# KiCad board hakea-epaper.kicad_pcb
title: Hakea Wireless keyboard; date: 2022-01-09; rev: 1.0; company: TKW
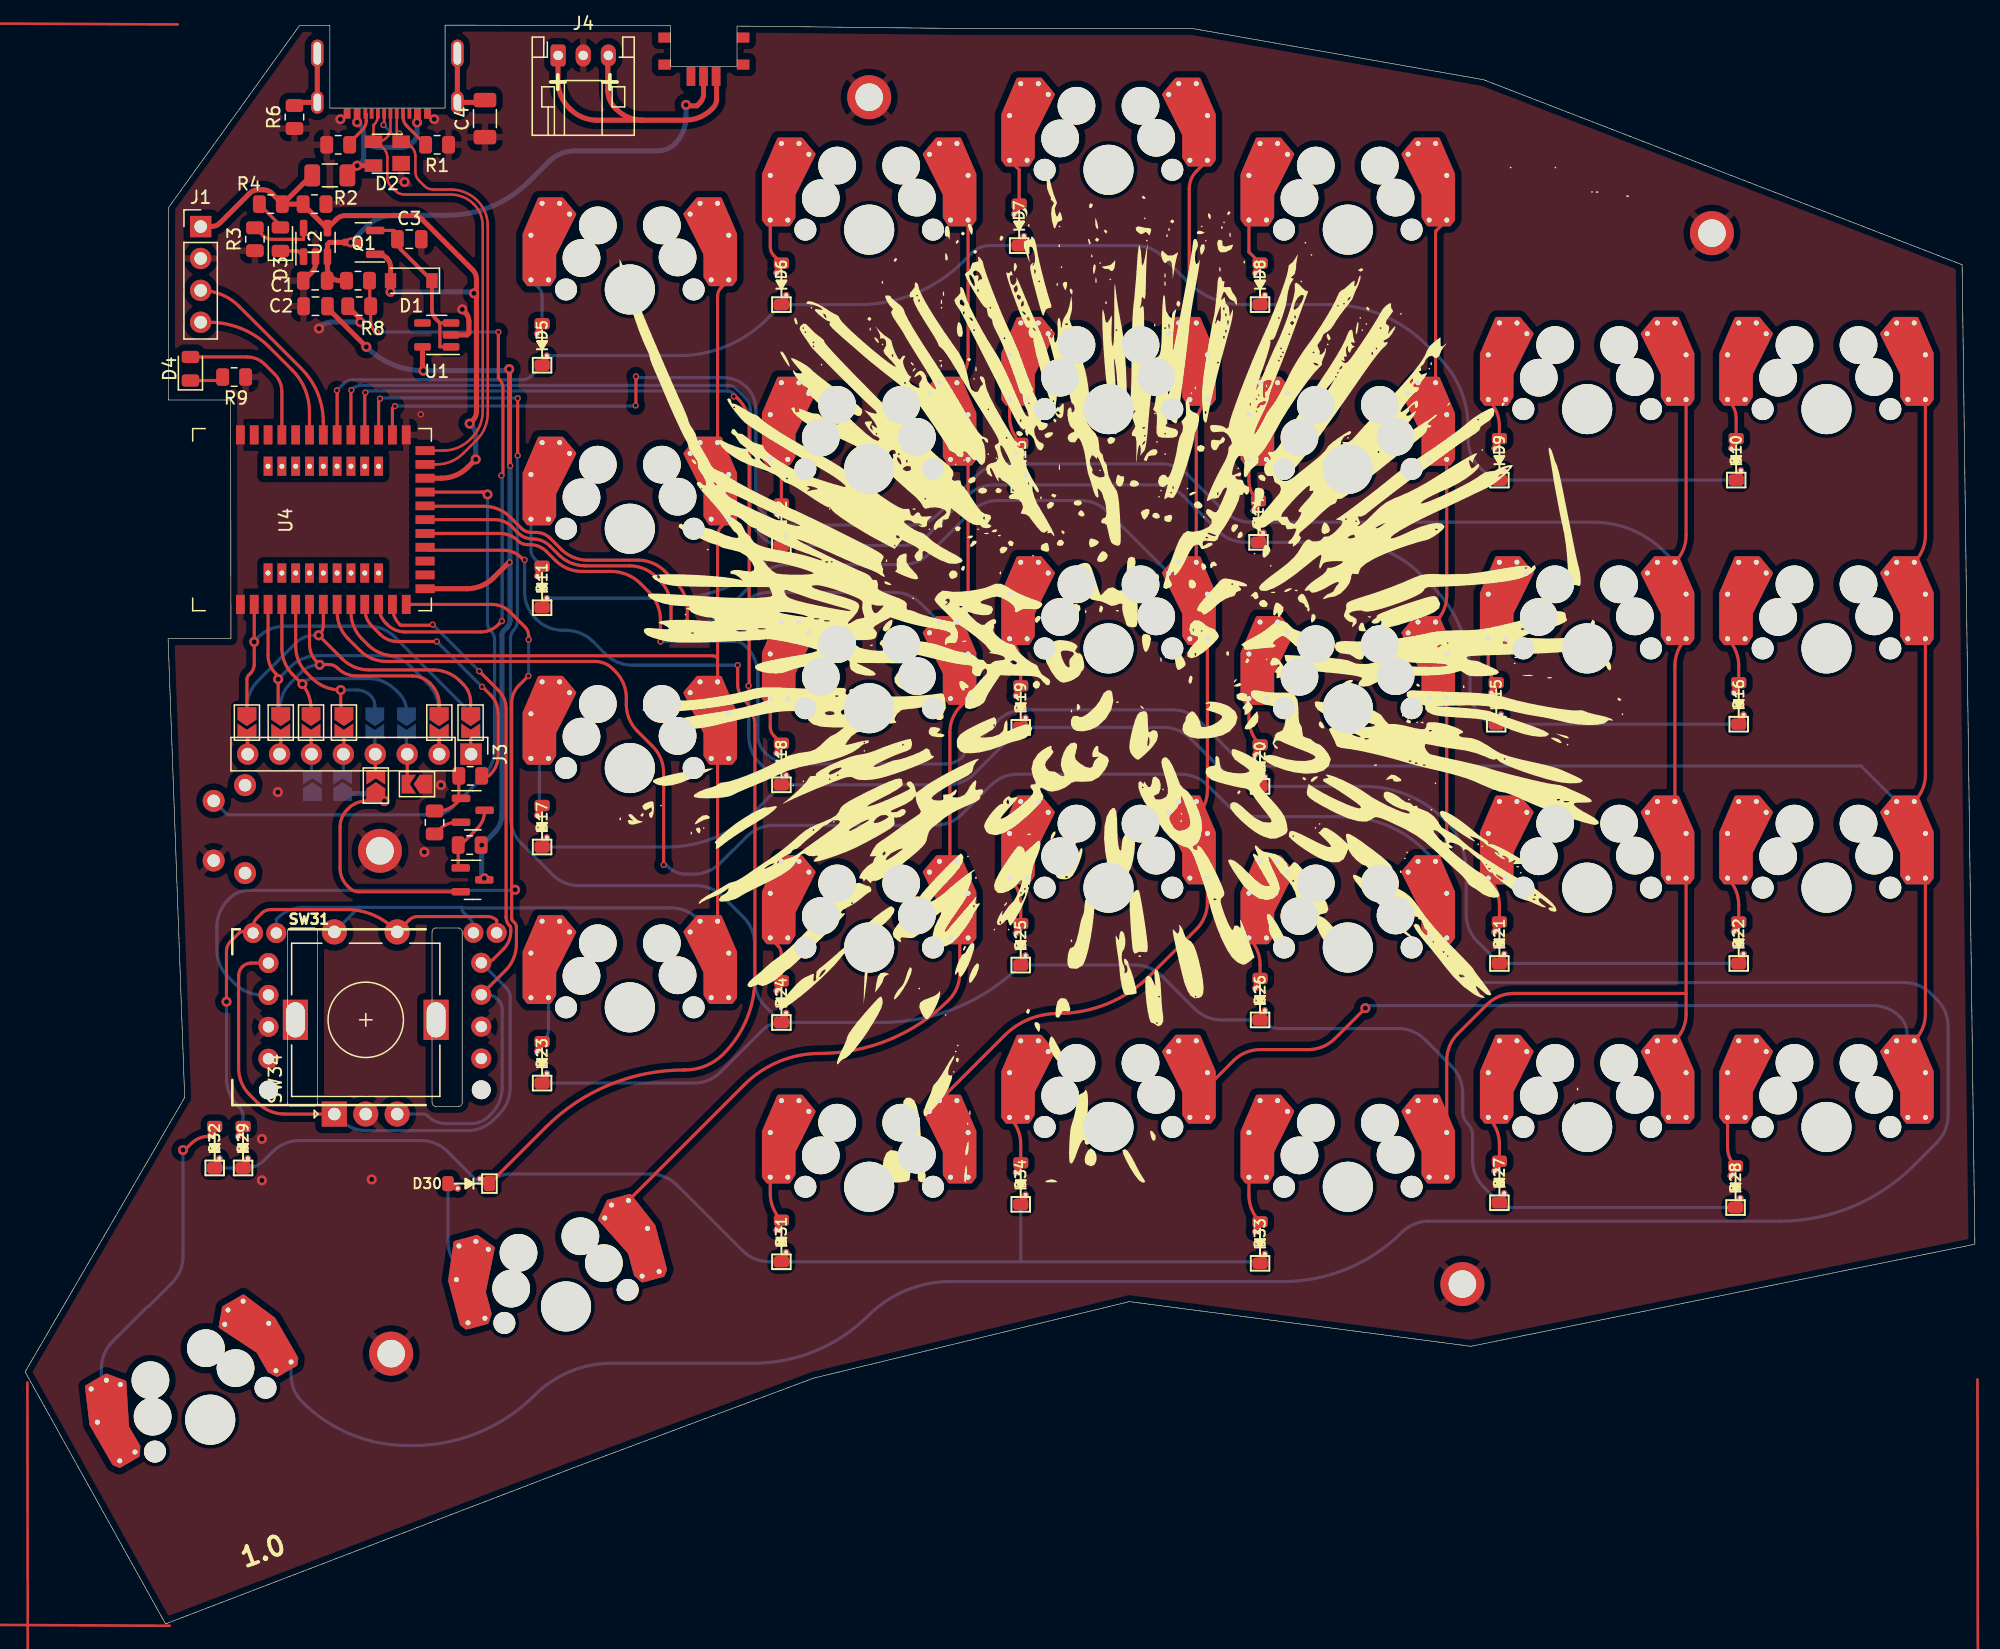
[diagram p0: board, top side]
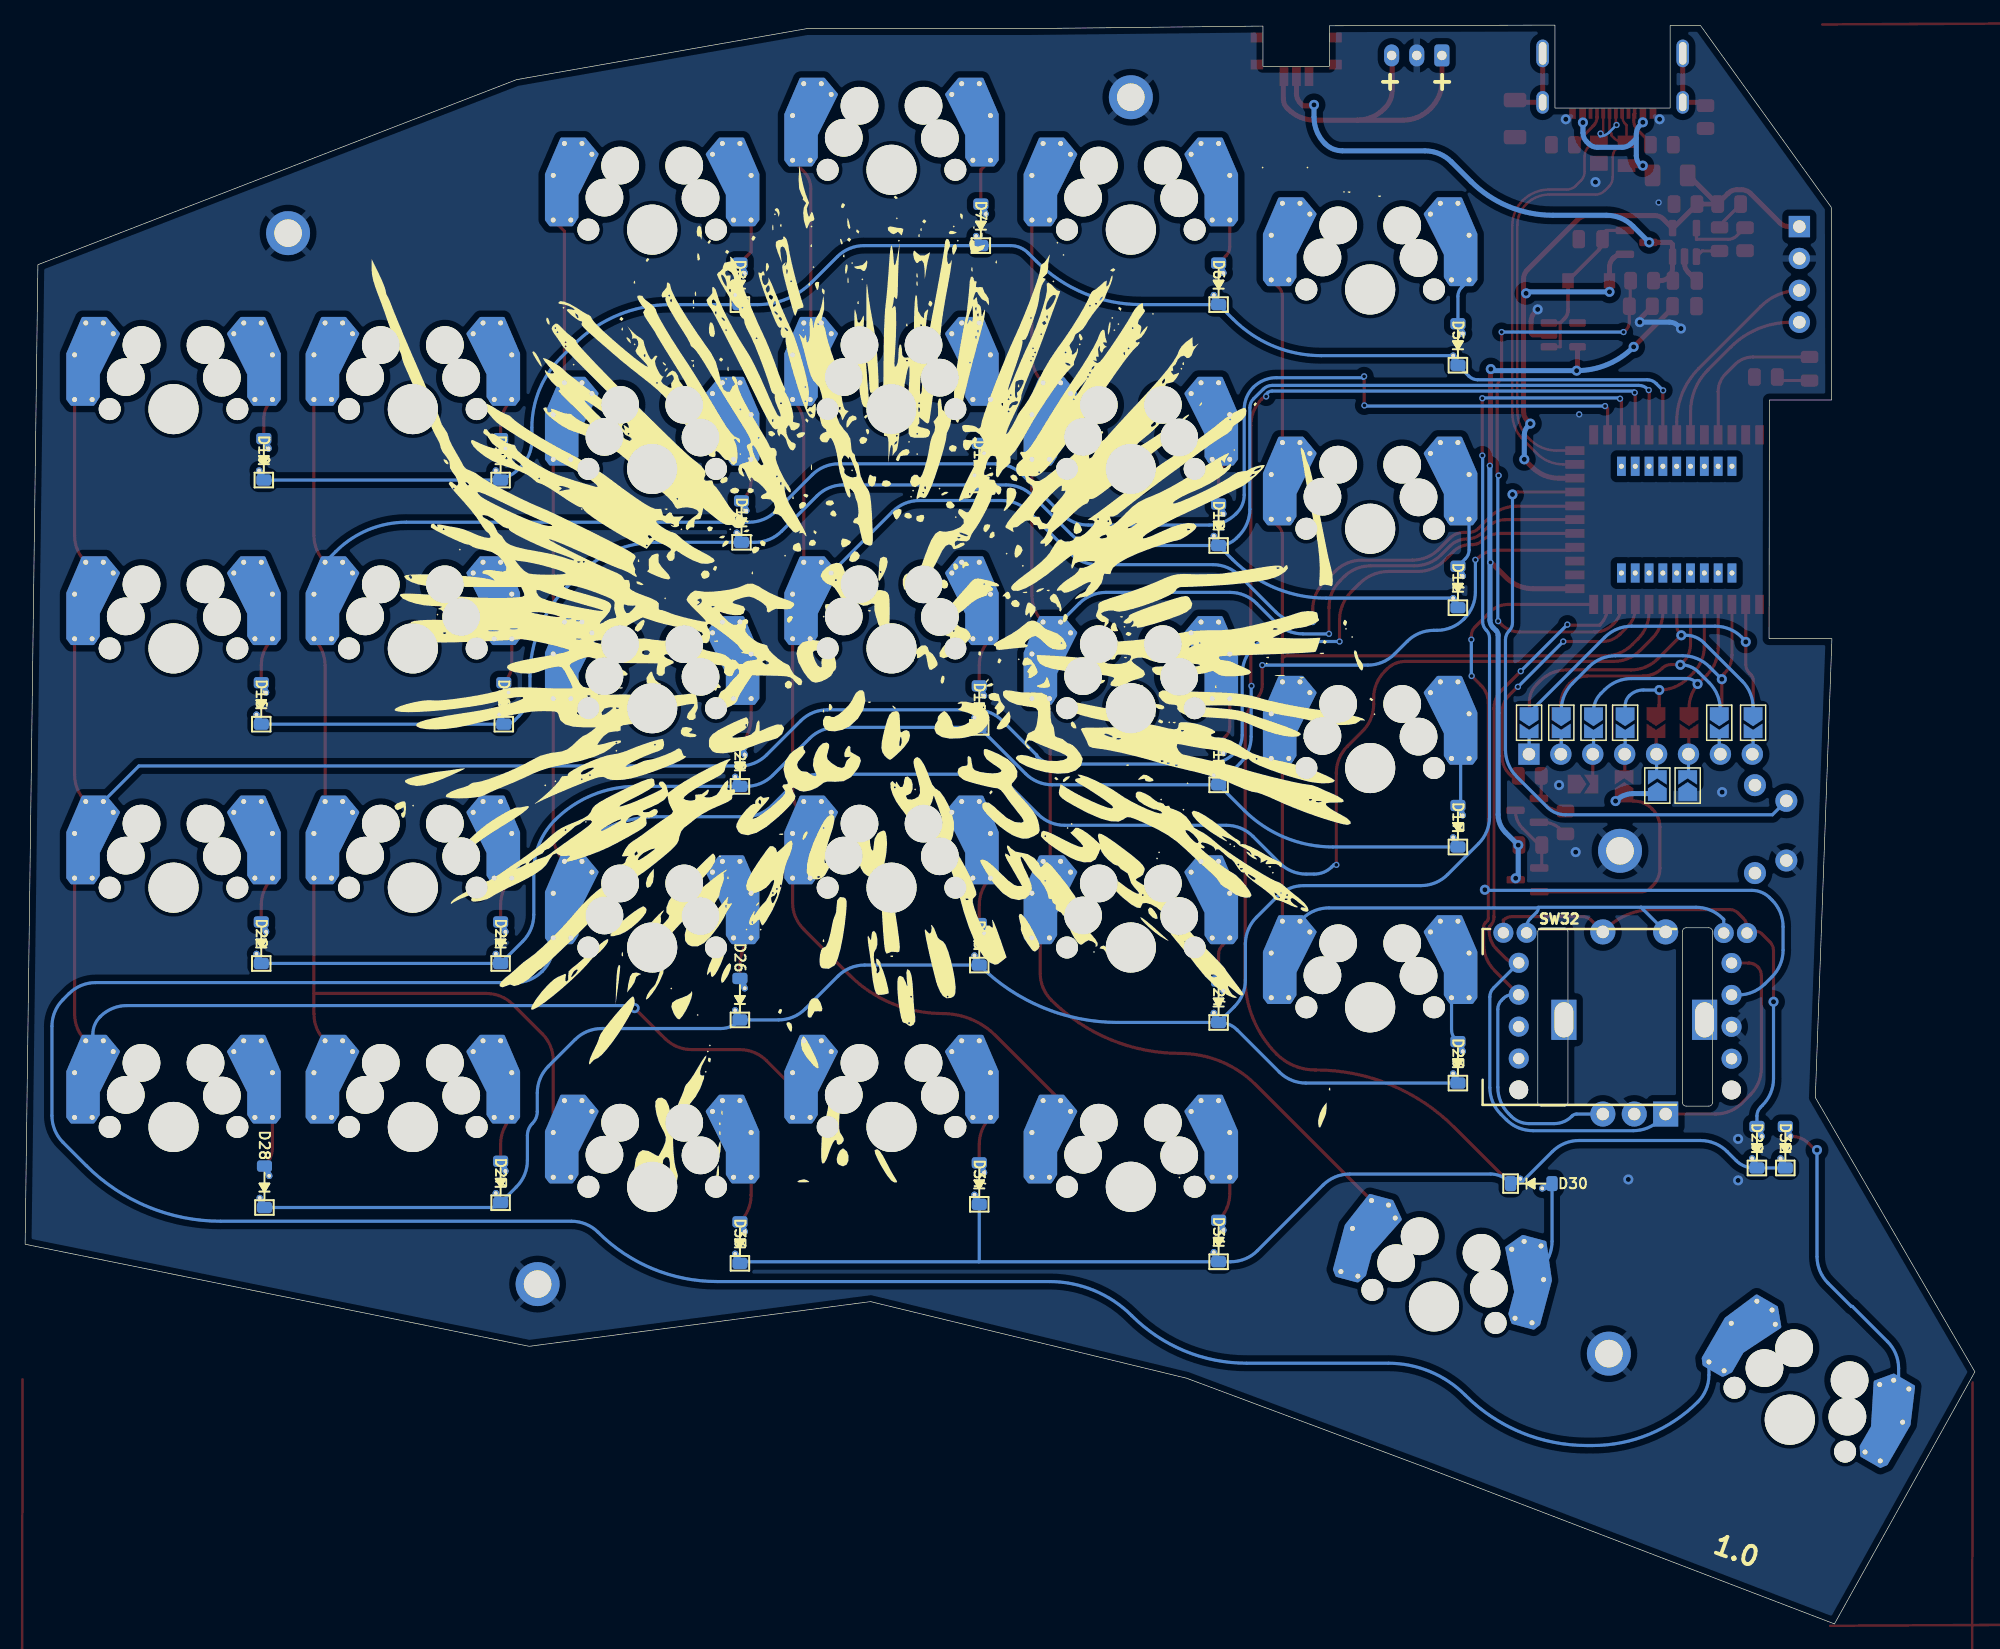
[diagram p1: board, bottom side, seen from below]

Outline 155.19 x 127.28 mm; copper layers: Top, Bottom. Coordinates in mm from the lower left corner of the outline.
Outline path: 56.67,124 56.67,127.2 75.44,127 92.96,127 116.08,122.94 154.18,108.2 155.19,30.23 115.06,22.1 87.88,25.65 62.74,19.56 43.69,12.45 11.18,0 0,20.07 12.7,41.91 11.38,78.44 16.38,78.43 16.36,97.43 11.4,97.43 11.43,112.78 21.84,127.25 24.26,127.25 24.26,120.68 33.43,120.68 33.43,127.28 51.38,127.23 51.38,124 closed
Stack: Top 0.035mm / dielectric 1.51mm FR4 er 4.5 / Bottom 0.035mm

## Placement (name value [footprint] x y rotation side)
C1  4.7uF  [C_0805_2012Metric]  23.09 106.93 180 top
C2  1uF  [C_0805_2012Metric]  23.11 104.9 180 top
C3  1uF  [C_0805_2012Metric]  30.58 110.24 0 top
C4  4.7n  [C_1206_3216Metric]  36.6 119.84 90 top
D1  1N5819  [D_SOD-123]  30.73 106.93 180 top
D2  SR05  [SOT-143]  28.83 117.04 180 top
D3  POWERLED  [D_0805_2012Metric]  20.32 110.24 90 top
D4  LED_Small  [D_0805_2012Metric]  13.16 99.92 90 top
D5  D_Small  [D_SOD-123#2]  41.15 101.85 90 bottom
D6  D_Small  [D_SOD-123#2]  60.2 106.68 90 bottom
D7  D_Small  [D_SOD-123#2]  79.12 111.38 90 bottom
D8  D_Small  [D_SOD-123#2]  98.3 106.68 90 bottom
D9  D_Small  [D_SOD-123#2]  117.35 92.71 90 bottom
D10  D_Small  [D_SOD-123#2]  136.19 92.71 90 bottom
D11  D_Small  [D_SOD-123#2]  41.15 82.55 90 bottom
D12  D_Small  [D_SOD-123#2]  60.2 87.5 90 bottom
D13  D_Small  [D_SOD-123#2]  79.25 92.33 90 bottom
D14  D_Small  [D_SOD-123#2]  98.17 87.76 90 bottom
D15  D_Small  [D_SOD-123#2]  117.09 73.28 90 bottom
D16  D_Small  [D_SOD-123#2]  136.4 73.28 90 bottom
D17  D_Small  [D_SOD-123#2]  41.15 63.5 90 bottom
D18  D_Small  [D_SOD-123#2]  60.2 68.45 90 bottom
D19  D_Small  [D_SOD-123#2]  79.25 73.02 90 bottom
D20  D_Small  [D_SOD-123#2]  98.3 68.33 90 bottom
D21  D_Small  [D_SOD-123#2]  117.35 54.23 90 bottom
D22  D_Small  [D_SOD-123#2]  136.4 54.23 90 bottom
D23  D_Small  [D_SOD-123#2]  41.15 44.7 90 bottom
D24  D_Small  [D_SOD-123#2]  60.2 49.53 90 bottom
D25  D_Small  [D_SOD-123#2]  79.25 54.1 90 bottom
D26  D_Small  [D_SOD-123#2]  98.3 49.73 90 bottom
D27  D_Small  [D_SOD-123#2]  117.35 35.18 90 bottom
D28  D_Small  [D_SOD-123#2]  136.14 34.8 90 bottom
D29  D_Small  [D_SOD-123#2]  17.35 37.95 90 bottom
D30  D_Small  [D_SOD-123#2]  35.31 35.05 180 bottom
D31  D_Small  [D_SOD-123#2]  60.2 30.48 90 bottom
D32  D_Small  [D_SOD-123#2]  15.09 37.95 90 bottom
D33  D_Small  [D_SOD-123#2]  98.3 30.35 90 bottom
D34  D_Small  [D_SOD-123#2]  79.25 35.05 90 bottom
F1  500ma  [Fuse_1206_3216Metric]  24.25 115.32 0 top
G***  LOGO  [tkw-small]  25.04 29.31 0 top
G***#2  LOGO  [hakea]  87.42 75.58 0 top
G***#3  LOGO  [tkw-small]  25.04 29.44 180 bottom
G***#4  LOGO  [hakea]  87.51 75.58 180 bottom
H2  MountingHole  [MountingHole_2.2mm_M2_ISO7380_Pad]  28.24 61.54 0 top
H3  MountingHole  [MountingHole_2.2mm_M2_ISO7380_Pad]  29.13 21.51 0 top
H4  MountingHole  [MountingHole_2.2mm_M2_ISO7380_Pad]  114.4 27.05 0 top
H5  MountingHole  [MountingHole_2.2mm_M2_ISO7380_Pad]  134.26 110.72 0 top
H6  MountingHole  [MountingHole_2.2mm_M2_ISO7380_Pad]  67.18 121.54 0 top
J1  SWD PORT  [PinHeader_1x04_P2.54mm_Vertical]  13.97 111.24 0 top
J2  USB_C_Receptacle_USB2.0  [USB-C_C168688]  28.83 127.23 0 top
J3  epaper-102  [PinHeader_1x08_P2.54mm_Vertical]  35.49 69.24 270 top
J4  Conn_01x03  [JST_PH_S3B-PH-K_1x03_P2.00mm_Horizontal]  42.42 124.87 0 top
JP1  Jumper_2_Open  [SolderJumper-2_P1.3mm_Open_TrianglePad1.0x1.5mm]  35.48 71.74 270 bottom
JP2  Jumper_2_Open  [SolderJumper-2_P1.3mm_Open_TrianglePad1.0x1.5mm]  35.46 71.76 270 top
JP3  Jumper_2_Open  [SolderJumper-2_P1.3mm_Open_TrianglePad1.0x1.5mm]  32.92 71.74 270 bottom
JP4  Jumper_2_Open  [SolderJumper-2_P1.3mm_Open_TrianglePad1.0x1.5mm]  32.97 71.76 270 top
JP5  Jumper_2_Open  [SolderJumper-2_P1.3mm_Open_TrianglePad1.0x1.5mm]  30.35 71.74 270 bottom
JP6  Jumper_2_Open  [SolderJumper-2_P1.3mm_Open_TrianglePad1.0x1.5mm]  31.19 66.85 180 top
JP7  Jumper_2_Open  [SolderJumper-2_P1.3mm_Open_TrianglePad1.0x1.5mm]  27.84 71.74 270 bottom
JP8  Jumper_2_Open  [SolderJumper-2_P1.3mm_Open_TrianglePad1.0x1.5mm]  27.91 66.74 90 top
JP9  Jumper_2_Open  [SolderJumper-2_P1.3mm_Open_TrianglePad1.0x1.5mm]  25.27 66.74 90 bottom
JP10  Jumper_2_Open  [SolderJumper-2_P1.3mm_Open_TrianglePad1.0x1.5mm]  25.37 71.76 270 top
JP11  Jumper_2_Open  [SolderJumper-2_P1.3mm_Open_TrianglePad1.0x1.5mm]  22.86 66.74 90 bottom
JP12  Jumper_2_Open  [SolderJumper-2_P1.3mm_Open_TrianglePad1.0x1.5mm]  22.76 71.76 270 top
JP13  Jumper_2_Open  [SolderJumper-2_P1.3mm_Open_TrianglePad1.0x1.5mm]  20.35 71.74 270 bottom
JP14  Jumper_2_Open  [SolderJumper-2_P1.3mm_Open_TrianglePad1.0x1.5mm]  20.35 71.76 270 top
JP15  Jumper_2_Open  [SolderJumper-2_P1.3mm_Open_TrianglePad1.0x1.5mm]  17.65 71.74 270 bottom
JP16  Jumper_2_Open  [SolderJumper-2_P1.3mm_Open_TrianglePad1.0x1.5mm]  17.65 71.76 270 top
Q1  AO3401A  [SOT-23]  26.92 109.98 180 top
Q2  2N7002  [SOT-23]  35.64 64.77 0 top
Q3  AO3401A  [SOT-23]  35.61 59.23 0 top
R1  5.1k  [R_0805_2012Metric]  32.79 117.75 180 top
R2  10k  [R_0805_2012Metric]  23.04 113.03 0 top
R3  10k  [R_0805_2012Metric]  18.29 110.24 90 top
R4  1k  [R_0805_2012Metric]  19.56 113.03 180 top
R5  5.1k  [R_0805_2012Metric]  24.92 117.75 0 top
R6  1M  [R_0805_2012Metric]  21.44 119.96 90 top
R7  806k  [R_0805_2012Metric]  26.49 106.93 180 top
R8  2M  [R_0805_2012Metric]  26.59 104.9 0 top
R9  1k  [R_0805_2012Metric]  16.64 99.26 0 top
R10  1k  [R_0805_2012Metric]  35.43 67.51 180 top
R11  1k  [R_0805_2012Metric]  32.59 63.8 90 top
R12  1k  [R_0805_2012Metric]  35.38 62 0 top
SW1  SW_SPST  [TC-1101V]  16.26 63.27 270 top
SW2  SW_Push  [MX-1U-Hotswap]  48.13 106.24 0 top
SW3  SW_Push  [MX-1U-Hotswap]  67.18 111 0 top
SW4  SW_Push  [MX-1U-Hotswap]  86.23 115.76 0 top
SW5  SW_Push  [MX-1U-Hotswap]  105.28 111 0 top
SW6  SW_Push  [MX-1U-Hotswap]  124.33 96.71 0 top
SW7  SW_Push  [MX-1U-Hotswap]  143.38 96.71 0 top
SW8  SW_Push  [MX-1U-Hotswap]  48.13 87.19 0 top
SW9  SW_Push  [MX-1U-Hotswap]  67.18 91.95 0 top
SW10  SW_Push  [MX-1U-Hotswap]  86.23 96.71 0 top
SW11  SW_Push  [MX-1U-Hotswap]  105.28 91.95 0 top
SW12  SW_Push  [MX-1U-Hotswap]  124.33 77.66 0 top
SW13  SW_Push  [MX-1U-Hotswap]  143.38 77.66 0 top
SW14  SW_Push  [MX-1U-Hotswap]  48.13 68.14 0 top
SW15  SW_Push  [MX-1U-Hotswap]  67.18 72.9 0 top
SW16  SW_Push  [MX-1U-Hotswap]  86.23 77.66 0 top
SW17  SW_Push  [MX-1U-Hotswap]  105.28 72.9 0 top
SW18  SW_Push  [MX-1U-Hotswap]  124.33 58.61 0 top
SW19  SW_Push  [MX-1U-Hotswap]  143.38 58.61 0 top
SW20  SW_Push  [MX-1U-Hotswap]  48.13 49.09 0 top
SW21  SW_Push  [MX-1U-Hotswap]  67.18 53.85 0 top
SW22  SW_Push  [MX-1U-Hotswap]  86.23 58.61 0 top
SW23  SW_Push  [MX-1U-Hotswap]  105.28 53.85 0 top
SW24  SW_Push  [MX-1U-Hotswap]  124.33 39.56 0 top
SW25  SW_Push  [MX-1U-Hotswap]  143.38 39.56 0 top
SW26  SW_Push  [MX-1U-Hotswap]  43.05 25.27 15 top
SW27  SW_Push  [MX-1U-Hotswap]  67.18 34.8 0 top
SW28  SW_Push  [MX-1U-Hotswap]  14.73 16.26 30 top
SW29  SW_Push  [MX-1U-Hotswap]  105.28 34.8 0 top
SW30  SW_Push  [MX-1U-Hotswap]  86.23 39.56 0 top
SW31  Rotary_Encoder_Switch  [RollerEncoder_Panasonic_EVQWGD001]  24.99 48.8 0 top
SW32  Rotary_Encoder_Switch  [RollerEncoder_Panasonic_EVQWGD001]  30.68 48.82 180 bottom
SW33  SW_SPDT  [midmount_slide]  55.35 122.69 180 top
SW34  Rotary_Encoder_Switch  [RotaryEncoder_Alps_EC11E-Switch_Vertical_H20mm]  24.61 40.59 90 top
U1  AP2112K-3.3  [SOT-23-5]  32.77 102.62 180 top
U2  TP4054  [SOT-23-5]  23.11 109.98 90 top
U4  -  [nRF52840_holyiot_18010]  22.83 87.91 90 top

## Library data of the parts
J2 = -: JLC Part: C168688; LCSC Part: C168688
SW1 = -: Field4: RESET; Field5: *
SW33 = -: Field4: SK-3293S

## Footprints (pads in the part's own frame, mm; a bottom-side part is the same pattern mirrored in y, then rotated)
C_0805_2012Metric
  rrect 1x1.45 smd: 1(-0.95,0) 2(0.95,0)
C_1206_3216Metric
  rrect 1.15x1.8 smd: 1(-1.475,0) 2(1.475,0)
D_0805_2012Metric
  rrect 0.975x1.4 smd: 1(-0.938,0) 2(0.938,0)
D_SOD-123
  rect 0.9x1.2 smd: 1(-1.65,0) 2(1.65,0)
D_SOD-123#2
  rrect 0.9x1.2 smd far side: 1(-1.651,0) 2(1.65,0)
  rrect 0.9x1.2 smd: 1(-1.65,0) 2(1.65,0)
  custom 1.262x0.881 smd far side: 1(-0.889,0.381) 2(0.87,-0.381)
  custom 1.262x0.881 smd: 1(-0.889,0.381) 2(0.87,-0.381)
  round 0.5 hole 0.3: 1(-0.889,0.381) 2(0.87,-0.381)
Fuse_1206_3216Metric
  rrect 1.25x1.75 smd: 1(-1.4,0) 2(1.4,0)
JST_PH_S3B-PH-K_1x03_P2.00mm_Horizontal
  rrect 1.2x1.75 hole 0.75: 1(0,0)
  oval 1.2x1.75 hole 0.75: 2(2,0) 3(4,0)
midmount_slide
  rrect 0.7x1.5 smd: 1(0.35,-0.5) 2(1.35,-0.5) 3(2.35,-0.5)
  rrect 1x0.8 smd: 4(-1.8,-1.45) 4(-1.8,-3.6) 4(4.45,-1.45) 4(4.45,-3.6)
MountingHole_2.2mm_M2_ISO7380_Pad
  round 3.5 hole 2.2: 1(0,0)
MX-1U-Hotswap
  round 1.75 hole 1.75 unplated: (-5.08,0) (5.08,0)
  round 3 hole 3 unplated: (-3.85,2.5) (-2.55,5.1) (2.55,5.1) (3.8,2.55)
  round 3.988 hole 3.988 unplated: (0,0)
  round 0.8 hole 0.4: 1(-7.874,4.318) 1(-7.874,0.762) 1(-6.985,6.858) 1(-6.477,0.762) 1(-5.588,6.858) 1(-4.8,6) 2(4.8,6) 2(5.588,6.858) 2(6.477,0.762) 2(6.985,6.858) 2(7.874,4.318) 2(7.874,0.762)
  custom 4.27x7.07 smd far side: 1(-7.285,2.54) 2(6.425,5.067)
  rect 2.35x2.5 smd far side: 1(-7.2,2.54)
  custom 4.27x7.07 smd: 1(-6.499,5.067) 2(7.212,2.54)
  rect 2.15x2.5 smd: 1(-6.399,5.067)
  rect 2.15x2.5 smd far side: 2(6.425,5.067)
  rect 2.35x2.5 smd: 2(7.212,2.54)
nRF52840_holyiot_18010
  rect 1.524x0.7 smd: 1(-6.75,5.7) 2(-6.75,4.6) 3(-6.75,3.5) 4(-6.75,2.4) 5(-6.75,1.3) 6(-6.75,0.2) 7(-6.75,-0.9) 8(-6.75,-2) 9(-6.75,-3.1) 10(-6.75,-4.2) 11(-6.75,-5.3) 12(-6.75,-6.4) 13(-6.75,-7.5) 25(6.75,-7.5) 26(6.75,-6.4) 27(6.75,-5.3) 28(6.75,-4.2) 29(6.75,-3.1) 30(6.75,-2) 31(6.75,-0.9) 32(6.75,0.2) 33(6.75,1.3) 34(6.75,2.4) 35(6.75,3.5) 36(6.75,4.6) 37(6.75,5.7)
  rect 0.7x1.524 smd: 14(-5.5,-9) 15(-4.4,-9) 16(-3.3,-9) 17(-2.2,-9) 18(-1.1,-9) 19(0,-9) 20(1.1,-9) 21(2.2,-9) 22(3.3,-9) 23(4.4,-9) 24(5.5,-9)
  rect 1.524x0.7 hole 0.4: 38(-4.25,3.5) 39(-4.25,2.4) 40(-4.25,1.3) 41(-4.25,0.2) 42(-4.25,-0.9) 43(-4.25,-2) 44(-4.25,-3.1) 45(-4.25,-4.2) 46(-4.25,-5.3) 47(4.25,3.5) 48(4.25,2.4) 49(4.25,1.3) 50(4.25,0.2) 51(4.25,-0.9) 52(4.25,-2) 53(4.25,-3.1) 54(4.25,-4.2) 55(4.25,-5.3)
PinHeader_1x04_P2.54mm_Vertical
  rect 1.7x1.7 hole 1: 1(0,0)
  oval 1.7x1.7 hole 1: 2(0,-2.54) 3(0,-5.08) 4(0,-7.62)
PinHeader_1x08_P2.54mm_Vertical
  rect 1.7x1.7 hole 1: 1(0,0)
  oval 1.7x1.7 hole 1: 2(0,-2.54) 3(0,-5.08) 4(0,-7.62) 5(0,-10.16) 6(0,-12.7) 7(0,-15.24) 8(0,-17.78)
R_0805_2012Metric
  rrect 1.025x1.4 smd: 1(-0.912,0) 2(0.912,0)
RollerEncoder_Panasonic_EVQWGD001
  round 1.5 hole 1.5 unplated: (-5.625,-6.3)
  round 1.6 hole 0.9: A(-5.625,3.81) B(-5.625,1.27) C(-5.625,-1.27) D(-5.625,-3.81) S1(-6.85,6.2) S2(-5,6.2)
RotaryEncoder_Alps_EC11E-Switch_Vertical_H20mm
  rect 2x2 hole 1: A(0,0)
  round 2 hole 1: B(0,-5) C(0,-2.5) S1(14.5,-5) S2(14.5,0)
  rect 3.2x2 hole 2.8x1.5: MP(7.5,3.1) MP(7.5,-8.1)
SolderJumper-2_P1.3mm_Open_TrianglePad1.0x1.5mm
  custom 1.5x1.5 smd: 1(-0.725,0)
  custom 1.15x1.5 smd: 2(0.725,0)
SOT-23
  rrect 1.475x0.6 smd: 1(-0.938,0.95) 2(-0.938,-0.95) 3(0.938,0)
SOT-23-5
  rrect 1.325x0.6 smd: 1(-1.137,0.95) 2(-1.137,0) 3(-1.137,-0.95) 4(1.137,-0.95) 5(1.137,0.95)
SOT-143
  rect 1.4x1.2 smd: 1(-1.1,0.77)
  rect 1.4x1 smd: 2(-1.1,-0.95) 3(1.1,-0.95) 4(1.1,0.95)
TC-1101V
  round 1.75 hole 1: 1(-2.25,-1.25) 2(2.5,-1.25) 3(-3.5,1.25) 3(3.5,1.25)
USB-C_C168688
  rect 0.54x0.8 smd: A1(-3.2,-7) A1(3.2,-7) A4(-2.4,-7) A4(2.4,-7)
  rect 0.3x0.8 smd: A5(1.25,-7) A6(0.25,-7) A7(-0.25,-7) A8(-1.25,-7) B5(-1.75,-7) B6(-0.75,-7) B7(0.75,-7) B8(1.758,-7)
  oval 1x2.2 hole 0.6x1.8: S1(-5.575,-2.2) S2(5.575,-2.2)
  oval 1x1.8 hole 0.6x1.4: S3(-5.575,-6.1)
  oval 1x1.8 hole 0.6x1.3: S4(5.575,-6.1)
